# Altium PCB PCB信仰尺V1.0.pcbdoc (part 6 of 6)
Units mil, origin at the board's own origin, x right, y up, seen from the top; angles counter-clockwise.
Board outline 13501.75 x 10176.26 mil, 2 copper layers (Top Layer, Bottom Layer); 258 components, 187 nets, 2051 pads, 0 vias.
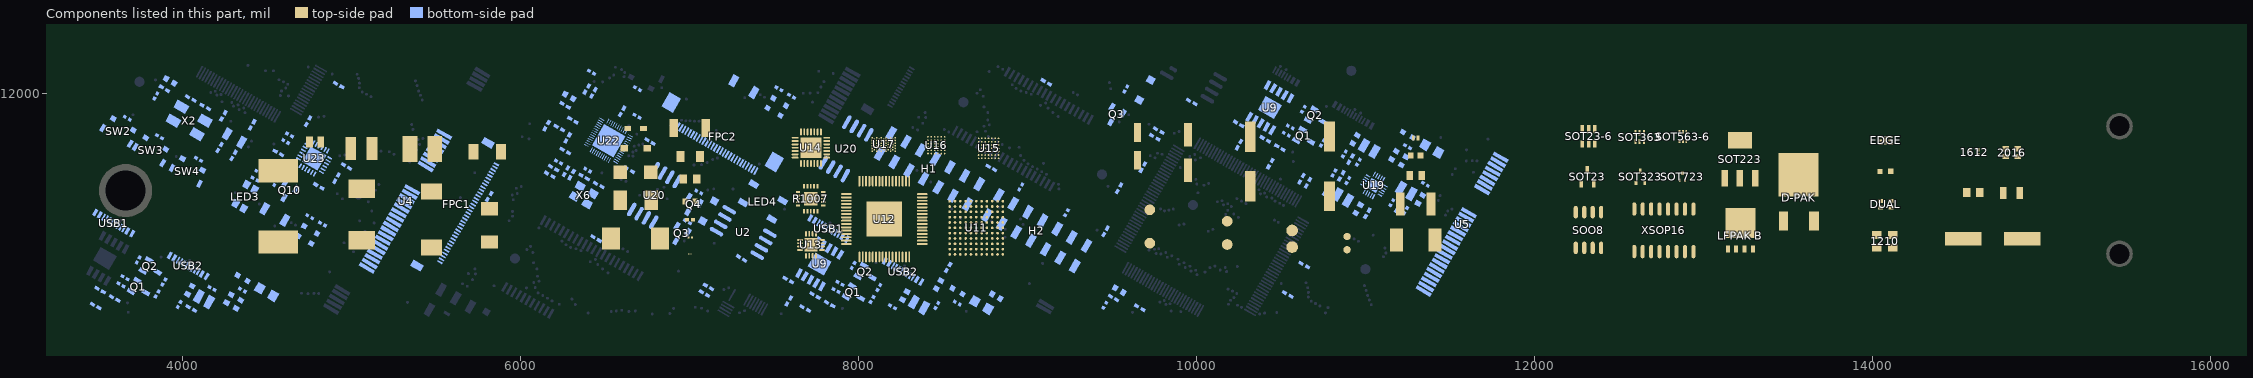
[diagram p6: the components of this part, seen from the top]

## Silkscreen, mask and mechanical layers (free items; w line width, h text height) (continued)
Bottom Silkscreen Layer:
  circle w15.75 net "": c10221.68,10717.66 r7.87
  circle w15.75 net "": c4665.92,11858.46 r7.87
  circle w15.75 net "": c4606.64,11915.78 r7.87
  circle w10 net "": c3498.36,11170.65 r6.74
  circle w15.75 net "": c5486.12,10858.21 r7.87
  circle w11.81 net "": c9806.07,12073.45 r5.91
  circle w11.81 net "": c9896.62,12063.67 r5.91
  circle w10 net "": c9171.72,11425.38 r13.1
  region net "": 8017.59,11991.01 8029.39,12011.45 8050.68,11985.53
  lines w5.98 net "": 4583.47,11865.65 4626.77,11840.65 4651.77,11883.95 ; 7245.77,10683.94 7288.38,10757.74 7415.68,10684.24 ; 7262.94,10745.56 7282.54,10779.51 7316.49,10759.91
  lines w6 net "": 4127.75,12161.86 4616.07,11880.58 4783.2,12170.81 ; 4587.96,11878.41 4621.91,11858.81 4641.51,11892.76 ; 9569.44,11051.35 9549.84,11017.4 9583.79,10997.8 ; 9926.94,11670.56 9946.54,11704.51 9980.49,11684.91 ; 10152.75,10684.86 9571.61,11023.23 9952.37,11682.73 10611.88,11301.97 10254.75,10684.86 ; 10599.7,11327.41 10633.65,11307.81 10614.05,11273.86
  lines w10 net "": 3419.34,11007.14 3445.38,11052.25 ; 3445.38,11052.28 ccw(c3455.92,11070.81) 3466.71,11089.2 3493.61,11135.8 ; 3587.58,10904.85 3666.32,11041.24 ; 5905.41,10886.35 5894.15,10892.85 6093.95,11238.91 6104.86,11232.61 ; 6610.03,10683.2 cw(c6621.84,10703.64) 6633.64,10724.09 6721.84,10876.86 6713.01,10881.96 ; 6642.09,12124.01 6655.95,12148.01 ; 6679.01,12081.54 6750.52,12040.25 ; 6733.3,12163.86 6794.67,12128.43 ; 6805.75,12029.52 6819.61,12053.52 ; 6818.29,12169.35 6794.67,12128.43 ; 8009.91,11922.7 8031.56,11960.2 8000.9,11977.9 8103.75,12158.86 ; 8089.41,11876.8 8132.62,11851.85 8170.42,11917.32 ; 8569.41,11811.35 8558.15,11817.85 8750.9,12151.31 ; 9177.36,11460.35 9185.84,11455.45 9274.04,11608.22 cw(c9285.84,11628.64) 9297.64,11649.09 9385.84,11801.86 9377.01,11806.96 ; 9840.66,12071.16 9834.78,12060.97 10022.3,11952.7 ; 9862.16,12108.4 9865.66,12114.46 ; 9887.16,12151.7 9890.66,12157.76 ; 10022.7,11953.38 10028.18,11962.89 ; 10049.69,12000.13 10053.18,12006.19 ; 10074.69,12043.43 10078.18,12049.49 ; 10099.69,12086.73 10103.18,12092.79 ; 10124.71,12130.02 10130.41,12139.89 ; 10676.08,12094.31 10712.73,12157.79 ; 10809.96,12018.32 10846.61,12081.8 ; 11008.24,12156.6 11226.17,12034.82 11228.08,12033.72 11197.18,11980.2 ; 11116.88,11841.12 11153.53,11904.6 ; 6794.67,12128.43 6827.71,12109.36 6794.67,12128.43
  text "FaithRuler" at 12272.66,11885.54 h178.4 r90
Bottom Paste Mask Layer:
  region net "": 10576.96,12044.84 10594.02,12034.99 10616.47,12073.87 10599.41,12083.72
  region net "": 10462.82,12110.74 10473.04,12104.84 10495.49,12143.72 10485.27,12149.62
  region net "": 10479.79,12100.94 10490.01,12095.04 10512.46,12133.92 10502.24,12139.82
  region net "": 10496.86,12091.09 10507.07,12085.19 10529.52,12124.07 10519.31,12129.97
  region net "": 10513.92,12081.24 10524.13,12075.34 10546.58,12114.22 10536.37,12120.12
  region net "": 10530.98,12071.39 10541.2,12065.49 10563.65,12104.37 10553.43,12110.27
  region net "": 10549.68,12060.59 10566.74,12050.74 10589.19,12089.62 10572.13,12099.47
  region net "": 10445.76,12120.59 10455.98,12114.69 10478.43,12153.57 10468.21,12159.47
  region net "": 10954.72,11828.05 10964.94,11822.15 10987.39,11861.03 10977.17,11866.93
  region net "": 10971.78,11818.2 10982,11812.3 11004.45,11851.18 10994.23,11857.08
  region net "": 10990.49,11807.4 11007.55,11797.55 11030,11836.43 11012.94,11846.28
  region net "": 11017.77,11791.65 11034.83,11781.8 11057.28,11820.68 11040.22,11830.53
  region net "": 10886.56,11867.4 10896.78,11861.5 10919.23,11900.38 10909.01,11906.28
  region net "": 10903.62,11857.55 10913.84,11851.65 10936.29,11890.53 10926.07,11896.43
  region net "": 10920.6,11847.75 10930.82,11841.85 10953.27,11880.73 10943.05,11886.63
  region net "": 10937.66,11837.9 10947.88,11832 10970.33,11870.88 10960.11,11876.78
  region net "": 10799.61,11917.6 10816.67,11907.75 10839.12,11946.63 10822.06,11956.48
  region net "": 10826.89,11901.85 10843.95,11892 10866.4,11930.88 10849.34,11940.73
  region net "": 10852.44,11887.1 10862.66,11881.2 10885.11,11920.08 10874.89,11925.98
  region net "": 10869.5,11877.25 10879.72,11871.35 10902.17,11910.23 10891.95,11916.13
Top Solder Mask Layer:
  drawing of 464 lines, arcs and shapes, not listed
  text "8" at 11366.02,10832.03 h135.94
Bottom Solder Mask Layer:
  drawing of 2305 lines, arcs and shapes, not listed
Mechanical Layer:
  lines w1 net "": 15617.31,10539.27 ccw(c15637,10539.27) 15637,10519.59 15656.68,10519.59 ccw(c15656.68,10539.27) 15676.37,10539.27 15676.37,10886.12 ccw(c15656.68,10886.12) 15656.68,10905.81 15637,10905.81 ccw(c15637,10886.12) 15617.31,10886.12 15617.31,10539.27 ; 15617.31,11188.04 ccw(c15637,11188.04) 15637,11168.35 15656.68,11168.35 ccw(c15656.68,11188.04) 15676.37,11188.04 15676.37,11660.48 ccw(c15656.68,11660.48) 15656.68,11680.16 15637,11680.16 ccw(c15637,11660.48) 15617.31,11660.48 15617.31,11188.04 ; 15617.31,11962.39 ccw(c15637,11962.39) 15637,11942.71 15656.68,11942.71 ccw(c15656.68,11962.39) 15676.37,11962.39 15676.37,12234.24 ccw(c15656.68,12234.24) 15656.68,12253.93 15637,12253.93 ccw(c15637,12234.24) 15617.31,12234.24 15617.31,11962.39
Mech6:
  circle w15.75 net "": c9797.1,12120.91 r7.87
  circle w15.7 net "": c9154.63,11440.79 r7.9
  lines w10 net "": 3402.75,11422.78 16000.67,11422.78 16001.75,11423.86
Mech15:
  drawing of 136 lines, arcs and shapes, not listed

## Text inside footprints (layer, text, board x,y; h text height)
C2: Top Silkscreen Layer "+" at 10615.14,11217.9 h25.74 r270; Top Silkscreen Layer "-" at 10610.14,11097.9 h25.74 r270
XSOP16: Top Silkscreen Layer "1" at 12546.76,11046.13 h31.5